# KiCad board temp sensor_panel.kicad_pcb (continued)
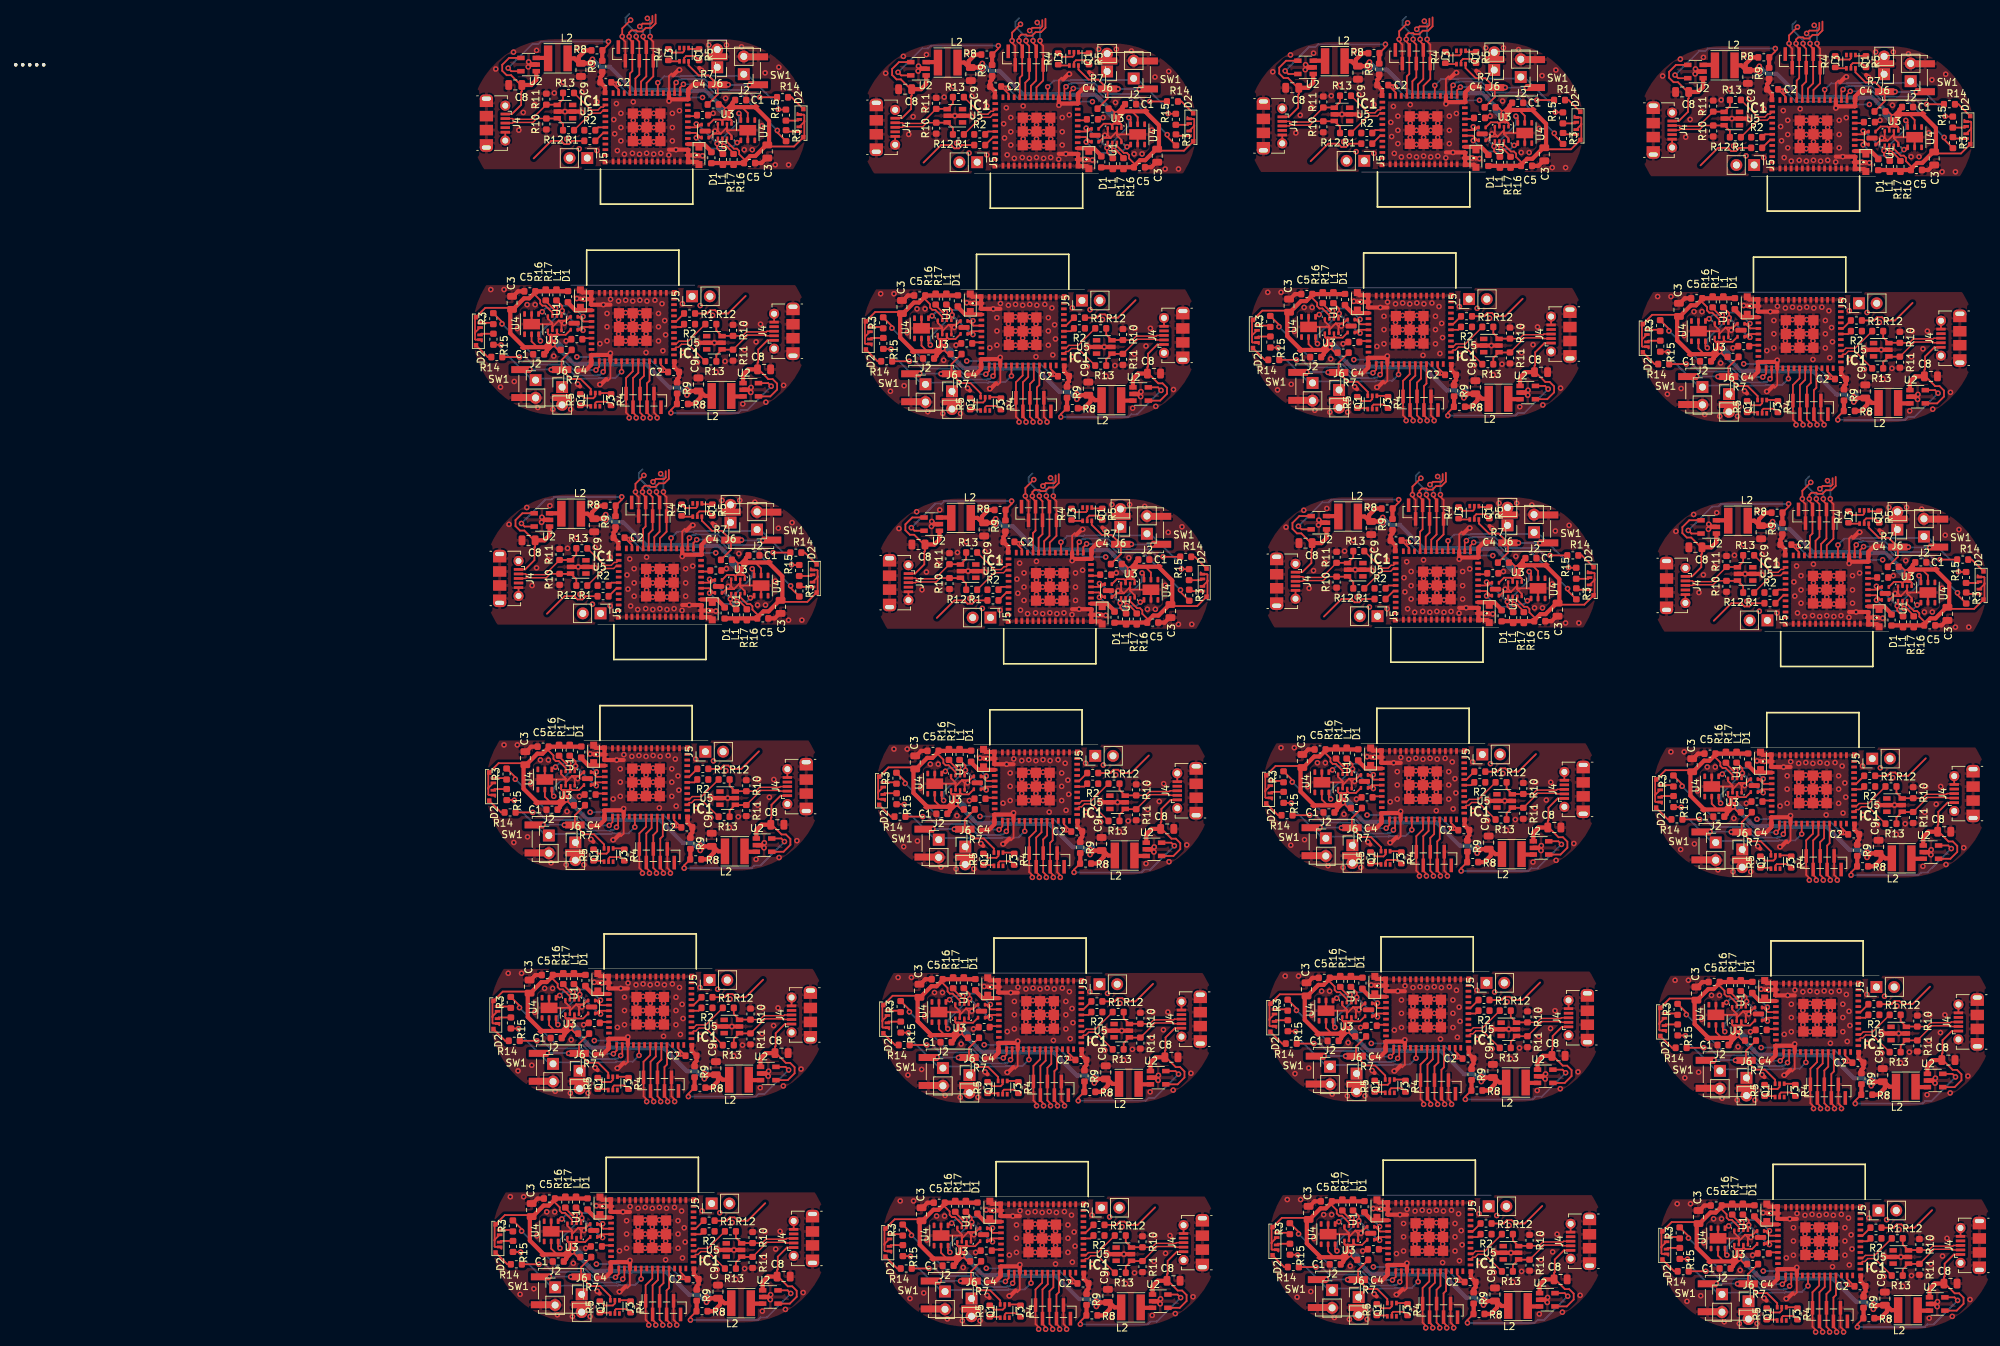
[diagram p0: board, top side]
## Routing (per net, layer and track width the routed paths; a pad name or vN(x,y) marks a point on that pad's centre or on a via; arc(x,y) is an arc through that point) (continued)
/Boot_Option: length 387.7
  Top w0.25: IC1.23 12.89,119.51 C2.1 13.21,118.45 v1(12.96,118.71) ; v1(0.89,120.62) 1.11,120.62 ; IC1#2.23 6.87,158.88 C2#2.1 6.55,159.94 v1(6.81,159.68) ; v1(18.88,157.77) 18.66,157.77 ; IC1#4.23 68.69,118.91 C2#4.1 69.01,117.85 v1(68.76,118.11) ; v1(56.69,120.02) 56.91,120.02 ; IC1#3.23 62.67,158.28 C2#3.1 62.35,159.34 v1(62.61,159.08) ; v1(74.67,157.17) 74.46,157.17 ; IC1#6.23 124.09,119.11 C2#6.1 124.41,118.05 v1(124.16,118.31) ; v1(112.09,120.22) 112.31,120.22 ; IC1#5.23 118.07,158.48 C2#5.1 117.75,159.54 v1(118.01,159.28) ; v1(130.07,157.37) 129.86,157.37 ; IC1#8.23 179.89,118.51 C2#8.1 180.21,117.45 v1(179.96,117.71) ; v1(167.89,119.62) 168.11,119.62 ; IC1#7.23 173.87,157.88 C2#7.1 173.55,158.94 v1(173.81,158.68) ; v1(185.88,156.77) 185.66,156.77 ; IC1#10.23 14.79,54.31 C2#10.1 15.11,53.25 v1(14.86,53.51) ; v1(2.79,55.42) 3.01,55.42 ; IC1#9.23 8.77,93.68 C2#9.1 8.45,94.74 v1(8.71,94.48) ; v1(20.77,92.57) 20.56,92.57 ; IC1#13.23 70.59,53.71 C2#13.1 70.91,52.65 v1(70.66,52.91) ; v1(58.59,54.82) 58.81,54.82 ; IC1#12.23 64.57,93.08 C2#12.1 64.25,94.14 v1(64.51,93.88) ; v1(76.58,91.97) 76.36,91.97 ; IC1#15.23 125.99,53.91 C2#15.1 126.31,52.85 v1(126.06,53.11) ; v1(113.99,55.02) 114.21,55.02 ; IC1#14.23 119.97,93.28 C2#14.1 119.65,94.34 v1(119.91,94.08) ; v1(131.98,92.17) 131.76,92.17 ; IC1#11.23 181.79,53.31 C2#11.1 182.11,52.25 v1(181.86,52.51) ; v1(169.79,54.42) 170.01,54.42 ; IC1#16.23 175.77,92.68 C2#16.1 175.45,93.74 v1(175.71,93.48) ; v1(187.77,91.57) 187.56,91.57 ; IC1#18.23 15.39,21.61 C2#19.1 15.71,20.55 v1(15.46,20.81) ; v1(3.39,22.72) 3.61,22.72 ; IC1#20.23 71.19,21.01 C2#20.1 71.51,19.95 v1(71.26,20.21) ; v1(59.19,22.12) 59.41,22.12 ; IC1#17.23 126.59,21.21 C2#17.1 126.91,20.15 v1(126.66,20.41) ; v1(114.59,22.32) 114.81,22.32 ; IC1#19.23 182.39,20.61 C2#18.1 182.71,19.55 v1(182.46,19.81) ; v1(170.39,21.72) 170.61,21.72 ; IC1#23.23 126.89,-10.79 C2#23.1 127.21,-11.85 v1(126.96,-11.59) ; IC1#21.23 15.69,-10.39 C2#22.1 16.01,-11.45 v1(15.76,-11.19) ; v1(3.69,-9.28) 3.91,-9.28 ; IC1#24.23 71.49,-10.99 C2#24.1 71.81,-12.05 v1(71.56,-11.79) ; v1(59.49,-9.88) 59.71,-9.88 ; IC1#22.23 182.69,-11.39 C2#21.1 183.01,-12.45 v1(182.76,-12.19) ; v1(170.69,-10.28) 170.91,-10.28 ; v1(114.89,-9.68) 115.11,-9.68
  Bottom w0.25: v1(0.89,120.62) 3.95,120.62 4.35,120.22 11.44,120.22 v1(12.96,118.71) ; v1(18.88,157.77) 15.81,157.77 15.41,158.17 8.32,158.17 v1(6.81,159.68) ; v1(56.69,120.02) 59.75,120.02 60.15,119.62 67.24,119.62 v1(68.76,118.11) ; v1(74.67,157.17) 71.61,157.17 71.21,157.57 64.12,157.57 v1(62.61,159.08) ; v1(112.09,120.22) 115.15,120.22 115.55,119.82 122.64,119.82 v1(124.16,118.31) ; v1(130.07,157.37) 127.01,157.37 126.61,157.77 119.52,157.77 v1(118.01,159.28) ; v1(167.89,119.62) 170.95,119.62 171.35,119.22 178.44,119.22 v1(179.96,117.71) ; v1(185.88,156.77) 182.81,156.77 182.41,157.17 175.32,157.17 v1(173.81,158.68) ; v1(2.79,55.42) 5.85,55.42 6.25,55.02 13.34,55.02 v1(14.86,53.51) ; v1(20.77,92.57) 17.71,92.57 17.31,92.97 10.22,92.97 v1(8.71,94.48) ; v1(58.59,54.82) 61.65,54.82 62.05,54.42 69.14,54.42 v1(70.66,52.91) ; v1(76.58,91.97) 73.51,91.97 73.11,92.37 66.02,92.37 v1(64.51,93.88) ; v1(113.99,55.02) 117.05,55.02 117.45,54.62 124.54,54.62 v1(126.06,53.11) ; v1(131.98,92.17) 128.91,92.17 128.51,92.57 121.42,92.57 v1(119.91,94.08) ; v1(169.79,54.42) 172.85,54.42 173.25,54.02 180.34,54.02 v1(181.86,52.51) ; v1(187.77,91.57) 184.71,91.57 184.31,91.97 177.22,91.97 v1(175.71,93.48) ; v1(3.39,22.72) 6.45,22.72 6.85,22.32 13.94,22.32 v1(15.46,20.81) ; v1(59.19,22.12) 62.25,22.12 62.65,21.72 69.74,21.72 v1(71.26,20.21) ; v1(126.66,20.41) 125.14,21.92 118.05,21.92 117.65,22.32 v1(114.59,22.32) ; v1(170.39,21.72) 173.45,21.72 173.85,21.32 180.94,21.32 v1(182.46,19.81) ; v1(71.56,-11.79) 70.04,-10.28 62.95,-10.28 62.55,-9.88 v1(59.49,-9.88) ; v1(3.69,-9.28) 6.75,-9.28 7.15,-9.68 14.24,-9.68 v1(15.76,-11.19) ; v1(182.76,-12.19) 181.24,-10.68 174.15,-10.68 173.75,-10.28 v1(170.69,-10.28) ; v1(114.89,-9.68) 117.95,-9.68 118.35,-10.08 125.44,-10.08 v1(126.96,-11.59)
/D+: length 235.4
  Top w0.2: R10.1 24.59,123.64 25.15,124.2 28.01,124.2 28.11,124.3 J4.3 29.11,124.3 ; -9.34,154.1 J4#2.3 -8.34,154.1 -8.24,154.2 -5.38,154.2 -4.82,154.76 R10#2.1 ; 84.91,123.7 J4#4.3 83.91,123.7 83.81,123.6 80.95,123.6 80.39,123.04 R10#4.1 ; R10#3.1 50.98,154.16 50.42,153.6 47.56,153.6 47.46,153.5 J4#3.3 46.46,153.5 ; 140.31,123.9 J4#6.3 139.31,123.9 139.21,123.8 136.35,123.8 135.79,123.24 R10#6.1 ; R10#5.1 106.38,154.36 105.82,153.8 102.96,153.8 102.86,153.7 J4#5.3 101.86,153.7 ; 196.11,123.3 J4#8.3 195.11,123.3 195.01,123.2 192.15,123.2 191.59,122.64 R10#8.1 ; R10#7.1 162.18,153.76 161.62,153.2 158.76,153.2 158.66,153.1 J4#7.3 157.66,153.1 ; 31.01,59.1 J4#10.3 30.01,59.1 29.91,59 27.05,59 26.49,58.44 R10#10.1 ; R10#9.1 -2.92,89.56 -3.48,89 -6.34,89 -6.44,88.9 J4#9.3 -7.44,88.9 ; 86.81,58.5 J4#12.3 85.81,58.5 85.71,58.4 82.85,58.4 82.29,57.84 R10#12.1 ; R10#11.1 52.88,88.96 52.32,88.4 49.46,88.4 49.36,88.3 J4#11.3 48.36,88.3 ; 142.21,58.7 J4#14.3 141.21,58.7 141.11,58.6 138.25,58.6 137.69,58.04 R10#13.1 ; R10#14.1 108.28,89.16 107.72,88.6 104.86,88.6 104.76,88.5 J4#13.3 103.76,88.5 ; 198.01,58.1 J4#16.3 197.01,58.1 196.91,58 194.05,58 193.49,57.44 R10#16.1 ; R10#15.1 164.08,88.56 163.52,88 160.66,88 160.56,87.9 J4#15.3 159.56,87.9 ; 31.61,26.4 J4#19.3 30.61,26.4 30.51,26.3 27.65,26.3 27.09,25.74 R10#19.1 ; 87.41,25.8 J4#20.3 86.41,25.8 86.31,25.7 83.45,25.7 82.89,25.14 R10#20.1 ; 142.81,26 J4#18.3 141.81,26 141.71,25.9 138.85,25.9 138.29,25.34 R10#18.1 ; R10#17.1 194.09,24.74 194.65,25.3 197.51,25.3 197.61,25.4 J4#17.3 198.61,25.4 ; 31.91,-5.6 J4#23.3 30.91,-5.6 30.81,-5.7 27.95,-5.7 27.39,-6.26 R10#23.1 ; R10#24.1 83.19,-6.86 83.75,-6.3 86.61,-6.3 86.71,-6.2 J4#24.3 87.71,-6.2 ; 198.91,-6.6 J4#21.3 197.91,-6.6 197.81,-6.7 194.95,-6.7 194.39,-7.26 R10#21.1 ; 143.11,-6 J4#22.3 142.11,-6 142.01,-6.1 139.15,-6.1 138.59,-6.66 R10#22.1
  Top w0.25: R12.1 20.85,124.42 U5.6 21.71,123.64 R10.1 ; R12#2.1 -1.09,153.98 U5#2.6 -1.95,154.76 R10#2.1 ; R12#4.1 76.65,123.82 U5#4.6 77.51,123.04 R10#4.1 ; R10#3.1 53.85,154.16 U5#3.6 54.71,153.38 R12#3.1 ; R12#6.1 132.05,124.02 U5#6.6 132.91,123.24 R10#6.1 ; R10#5.1 109.25,154.36 U5#5.6 110.11,153.58 R12#5.1 ; R12#8.1 187.85,123.42 U5#7.6 188.71,122.64 R10#8.1 ; R12#7.1 165.91,152.98 U5#8.6 165.05,153.76 R10#7.1 ; R12#10.1 22.75,59.22 U5#10.6 23.61,58.44 R10#10.1 ; R10#9.1 -0.05,89.56 U5#9.6 0.81,88.78 R12#9.1 ; R12#13.1 78.55,58.62 U5#13.6 79.41,57.84 R10#12.1 ; R12#12.1 56.61,88.18 U5#14.6 55.75,88.96 R10#11.1 ; R12#15.1 133.95,58.82 U5#16.6 134.81,58.04 R10#13.1 ; R10#14.1 111.15,89.16 U5#15.6 112.01,88.38 R12#14.1 ; R12#11.1 189.75,58.22 U5#11.6 190.61,57.44 R10#16.1 ; R12#16.1 167.81,87.78 U5#12.6 166.95,88.56 R10#15.1 ; R10#20.1 80.01,25.14 U5#20.6 79.15,25.92 R12#20.1 ; R12#17.1 134.55,26.12 U5#17.6 135.41,25.34 R10#18.1 ; R12#19.1 190.35,25.52 U5#19.6 191.21,24.74 R10#17.1 ; R12#18.1 23.35,26.52 U5#18.6 24.21,25.74 R10#19.1 ; R12#24.1 79.45,-6.08 U5#24.6 80.31,-6.86 R10#24.1 ; R10#21.1 191.51,-7.26 U5#22.6 190.65,-6.48 R12#21.1 ; R10#23.1 24.51,-6.26 U5#21.6 23.65,-5.48 R12#23.1 ; R12#22.1 134.85,-5.88 U5#23.6 135.71,-6.66 R10#22.1
/D-: length 250.2
  Top w0.2: R11.2 25.33,123.75 28.01,123.75 28.11,123.65 J4.2 ; R11#2.2 -5.57,154.65 -8.24,154.65 -8.34,154.75 J4#2.2 ; R11#4.2 81.13,123.15 83.81,123.15 83.91,123.05 J4#4.2 ; R11#3.2 50.23,154.05 47.56,154.05 47.46,154.15 J4#3.2 ; R11#6.2 136.53,123.35 139.21,123.35 139.31,123.25 J4#6.2 ; R11#5.2 105.63,154.25 102.96,154.25 102.86,154.35 J4#5.2 ; R11#8.2 192.33,122.75 195.01,122.75 195.11,122.65 J4#8.2 ; R11#7.2 161.43,153.65 158.76,153.65 158.66,153.75 J4#7.2 ; R11#10.2 27.23,58.55 29.91,58.55 30.01,58.45 J4#10.2 ; R11#9.2 -3.67,89.45 -6.34,89.45 -6.44,89.55 J4#9.2 ; R11#14.2 83.03,57.95 85.71,57.95 85.81,57.85 J4#12.2 ; R11#13.2 52.13,88.85 49.46,88.85 49.36,88.95 J4#11.2 ; R11#16.2 138.43,58.15 141.11,58.15 141.21,58.05 J4#14.2 ; R11#15.2 107.53,89.05 104.86,89.05 104.76,89.15 J4#13.2 ; R11#12.2 194.23,57.55 196.91,57.55 197.01,57.45 J4#16.2 ; R11#11.2 163.33,88.45 160.66,88.45 160.56,88.55 J4#15.2 ; R11#20.2 83.63,25.25 86.31,25.25 86.41,25.15 J4#20.2 ; J4#18.2 141.81,25.35 141.71,25.45 139.03,25.45 R11#17.2 ; R11#19.2 194.83,24.85 197.51,24.85 197.61,24.75 J4#17.2 ; R11#18.2 27.83,25.85 30.51,25.85 30.61,25.75 J4#19.2 ; J4#24.2 86.71,-6.85 86.61,-6.75 83.93,-6.75 R11#24.2 ; R11#23.2 195.13,-7.15 197.81,-7.15 197.91,-7.25 J4#21.2 ; R11#22.2 28.13,-6.15 30.81,-6.15 30.91,-6.25 J4#23.2 ; R11#21.2 139.33,-6.55 142.01,-6.55 142.11,-6.65 J4#22.2
  Top w0.25: R11.2 21.71,121.65 21.67,121.69 20.85,120.87 R13.1 ; R11#2.2 -1.95,156.74 U5#2.4 -1.09,157.52 R13#2.1 ; R11#4.2 77.51,121.05 77.47,121.09 76.65,120.27 R13#4.1 ; R13#3.1 54.71,156.92 U5#3.4 53.85,156.14 R11#3.2 ; R11#6.2 132.91,121.25 U5#6.4 132.05,120.47 R13#6.1 ; R13#5.1 110.11,157.12 U5#5.4 109.25,156.34 R11#5.2 ; R13#8.1 187.85,119.87 188.67,120.69 188.71,120.65 R11#8.2 ; R13#7.1 165.91,156.52 U5#8.4 165.05,155.74 R11#7.2 ; R11#10.2 23.61,56.45 23.57,56.5 22.75,55.67 R13#10.1 ; R13#9.1 0.81,92.32 U5#9.4 -0.05,91.54 R11#9.2 ; R13#12.1 78.55,55.07 U5#13.4 79.41,55.85 R11#14.2 ; R13#11.1 56.61,91.72 55.79,90.9 55.75,90.94 R11#13.2 ; R11#16.2 134.81,56.05 U5#16.4 133.95,55.27 R13#14.1 ; R13#13.1 112.01,91.92 U5#15.4 111.15,91.14 R11#15.2 ; R13#16.1 189.75,54.67 190.57,55.5 190.61,55.45 R11#12.2 ; R11#11.2 166.95,90.54 U5#12.4 167.81,91.32 R13#15.1 ; R13#20.1 79.15,22.37 U5#20.4 80.01,23.15 R11#20.2 ; R11#17.2 135.41,23.35 U5#17.4 134.55,22.57 R13#18.1 ; R13#17.1 190.35,21.97 U5#19.4 191.21,22.75 R11#19.2 ; R13#19.1 23.35,22.97 U5#18.4 24.21,23.75 R11#18.2 ; R11#24.2 80.31,-8.85 U5#24.4 79.45,-9.63 R13#24.1 ; R13#21.1 190.65,-10.03 U5#22.4 191.51,-9.25 R11#23.2 ; R13#23.1 23.65,-9.03 U5#21.4 24.51,-8.25 R11#22.2 ; R13#22.1 134.85,-9.43 U5#23.4 135.71,-8.65 R11#21.2
/DTR: length 39.6
  Top w0.25: R4.1 5.66,115.45 Q1.4 ; Q1#2.4 14.11,162.95 R4#2.1 ; Q1#4.4 61.46,114.85 R4#4.1 ; R4#3.1 69.91,162.35 Q1#3.4 ; Q1#6.4 116.86,115.05 116.98,114.92 ; R4#5.1 125.31,162.55 Q1#5.4 ; Q1#8.4 172.66,114.45 R4#8.1 ; R4#7.1 181.11,161.95 Q1#7.4 ; Q1#10.4 7.56,50.25 R4#10.1 ; R4#9.1 16.01,97.75 Q1#9.4 ; Q1#13.4 63.36,49.65 R4#13.1 ; R4#12.1 71.81,97.15 Q1#12.4 ; Q1#15.4 118.76,49.85 R4#15.1 ; 127.08,97.47 127.21,97.35 Q1#14.4 ; Q1#11.4 174.56,49.25 R4#11.1 ; R4#16.1 183.01,96.75 Q1#16.4 ; Q1#17.4 8.16,17.55 R4#18.1 ; Q1#19.4 63.96,16.95 R4#20.1 ; Q1#20.4 119.36,17.15 R4#17.1 ; Q1#18.4 175.16,16.55 R4#19.1 ; Q1#21.4 175.46,-15.45 R4#23.1 ; R4#21.1 119.66,-14.85 Q1#24.4 ; Q1#22.4 8.46,-14.45 R4#22.1 ; Q1#23.4 64.26,-15.05 R4#24.1
/EN: length 410
  Top w0.25: 0.18,121.65 R7.1 -1.29,120.19 SW1.2 ; Q1.6 2.88,116.02 1.44,117.47 0.04,117.47 SW1.2 ; 1.66,123.04 1.43,123.27 1.46,123.3 IC1.8 ; v1(-5.84,118.84) -5.87,118.8 SW1.2 ; v1(-2.79,118.8) -1.3,118.8 SW1.2 ; Q1#2.6 16.88,162.37 18.33,160.92 19.72,160.92 SW1#2.2 ; 18.1,155.35 18.33,155.12 18.31,155.09 IC1#2.8 ; 19.59,156.74 R7#2.1 21.05,158.21 SW1#2.2 ; v1(25.61,159.56) 25.64,159.59 SW1#2.2 ; SW1#2.2 21.06,159.59 v1(22.56,159.59) ; Q1#4.6 58.68,115.42 57.24,116.87 55.84,116.87 SW1#4.2 ; 57.46,122.44 57.23,122.67 57.26,122.7 IC1#4.8 ; 55.98,121.05 R7#4.1 54.51,119.59 SW1#4.2 ; v1(49.96,118.23) 49.93,118.2 48.71,118.2 ; SW1#4.2 54.5,118.2 v1(53.01,118.2) ; Q1#3.6 72.68,161.77 74.13,160.32 75.52,160.32 SW1#3.2 ; 73.9,154.75 74.13,154.52 74.11,154.49 IC1#3.8 ; SW1#3.2 76.86,158.99 v1(78.36,158.99) ; SW1#3.2 76.85,157.61 R7#3.1 75.39,156.14 ; v1(81.41,158.96) 81.44,158.99 SW1#3.2 ; Q1#6.6 114.08,115.62 112.64,117.07 111.24,117.07 109.91,118.4 ; 112.86,122.64 112.63,122.87 112.66,122.9 IC1#6.8 ; 111.38,121.25 R7#6.1 109.91,119.79 109.91,118.4 ; v1(105.36,118.44) 105.33,118.4 104.11,118.4 ; 109.91,118.4 109.9,118.4 v1(108.41,118.4) ; Q1#5.6 128.08,161.97 129.53,160.52 130.92,160.52 SW1#5.2 ; 129.3,154.95 129.53,154.72 129.51,154.69 IC1#5.8 ; SW1#5.2 132.26,159.19 v1(133.76,159.19) ; SW1#5.2 132.25,157.81 R7#5.1 130.79,156.34 ; v1(136.81,159.16) 136.84,159.19 SW1#5.2 ; Q1#8.6 169.88,115.02 168.44,116.47 167.04,116.47 SW1#8.2 ; 167.18,120.65 R7#8.1 165.71,119.19 SW1#8.2 ; 168.66,122.04 168.43,122.27 168.46,122.3 IC1#8.8 ; SW1#8.2 165.7,117.8 v1(164.21,117.8) ; v1(161.16,117.83) 161.13,117.8 159.91,117.8 ; 185.1,154.35 185.33,154.12 185.31,154.09 IC1#7.8 ; Q1#7.6 183.88,161.37 185.33,159.92 186.72,159.92 SW1#7.2 ; SW1#7.2 192.64,158.59 v1(192.61,158.56) ; 186.59,155.74 R7#7.1 188.06,157.21 SW1#7.2 ; SW1#7.2 188.06,158.59 v1(189.56,158.59) ; Q1#10.6 4.78,50.82 3.34,52.27 1.94,52.27 SW1#10.2 ; 3.56,57.84 3.33,58.07 3.36,58.1 IC1#10.8 ; 2.08,56.45 R7#10.1 0.61,54.99 SW1#10.2 ; v1(-3.94,53.63) -3.97,53.6 SW1#10.2 ; SW1#10.2 0.6,53.6 v1(-0.89,53.6) ; Q1#9.6 18.78,97.17 20.23,95.72 21.62,95.72 SW1#9.2 ; 20,90.15 20.23,89.92 20.21,89.89 IC1#9.8 ; SW1#9.2 22.96,94.39 v1(24.46,94.39) ; SW1#9.2 22.95,93.01 R7#9.1 21.49,91.54 ; v1(27.51,94.36) 27.54,94.39 SW1#9.2 ; Q1#13.6 60.58,50.22 59.14,51.67 57.74,51.67 SW1#13.2 ; 57.88,55.85 R7#13.1 56.41,54.39 SW1#13.2 ; 59.36,57.24 59.13,57.47 59.16,57.5 IC1#13.8 ; SW1#13.2 56.4,53 v1(54.91,53) ; v1(51.86,53.03) 51.83,53 SW1#13.2 ; 75.8,89.55 76.03,89.32 76.01,89.29 IC1#12.8 ; Q1#12.6 74.58,96.57 76.03,95.12 77.42,95.12 SW1#12.2 ; 84.55,93.79 83.34,93.79 v1(83.31,93.76) ; 77.29,90.94 R7#12.1 78.75,92.41 SW1#12.2 ; SW1#12.2 78.76,93.79 v1(80.26,93.79) ; Q1#15.6 115.98,50.42 114.54,51.87 113.14,51.87 SW1#15.2 ; v1(110.31,53.2) 111.8,53.2 SW1#15.2 ; 113.28,56.05 R7#15.1 111.81,54.59 SW1#15.2 ; v1(107.26,53.23) 107.23,53.2 SW1#15.2 ; 114.76,57.44 114.53,57.67 114.56,57.7 IC1#15.8 ; 131.2,89.75 131.43,89.52 131.41,89.49 IC1#14.8 ; Q1#14.6 129.98,96.77 131.43,95.32 132.82,95.32 SW1#14.2 ; SW1#14.2 134.16,93.99 v1(135.66,93.99) ; SW1#14.2 134.15,92.61 R7#14.1 132.69,91.14 ; v1(138.71,93.96) 138.74,93.99 SW1#14.2 ; Q1#11.6 171.78,49.82 170.34,51.27 168.94,51.27 SW1#11.2 ; 169.08,55.45 R7#11.1 167.61,53.99 SW1#11.2 ; 170.56,56.84 170.33,57.07 170.36,57.1 IC1#11.8 ; SW1#11.2 167.6,52.6 v1(166.11,52.6) ; SW1#11.2 163.03,52.6 v1(163.06,52.63) ; 187,89.15 187.23,88.92 187.21,88.89 IC1#16.8 ; Q1#16.6 185.78,96.17 187.23,94.72 188.62,94.72 SW1#16.2 ; 188.49,90.54 R7#16.1 189.95,92.01 SW1#16.2 ; SW1#16.2 189.96,93.39 v1(191.46,93.39) ; SW1#16.2 194.54,93.39 v1(194.51,93.36) ; Q1#17.6 5.38,18.12 3.94,19.57 2.54,19.57 SW1#18.2 ; 58.48,23.15 R7#20.1 57.01,21.69 SW1#20.2 ; 59.96,24.54 59.73,24.77 59.76,24.8 IC1#20.8 ; Q1#19.6 61.18,17.52 59.74,18.97 58.34,18.97 SW1#20.2 ; v1(52.46,20.34) 52.43,20.3 51.21,20.3 ; SW1#20.2 57,20.3 v1(55.51,20.3) ; Q1#20.6 116.58,17.72 115.14,19.17 113.74,19.17 SW1#17.2 ; v1(110.91,20.5) 112.4,20.5 SW1#17.2 ; v1(107.86,20.53) 107.83,20.5 SW1#17.2 ; 113.88,23.35 R7#17.1 112.41,21.89 SW1#17.2 ; 115.36,24.74 115.13,24.97 115.16,25 IC1#17.8 ; Q1#18.6 172.38,17.12 170.94,18.57 169.54,18.57 SW1#19.2 ; 162.41,19.9 163.63,19.9 v1(163.66,19.94) ; 171.16,24.14 170.93,24.37 170.96,24.4 IC1#19.8 ; SW1#19.2 168.2,19.9 v1(166.71,19.9) ; SW1#19.2 168.21,21.29 R7#19.1 169.68,22.75 ; 2.68,23.75 R7#18.1 1.21,22.29 SW1#18.2 ; 4.16,25.14 3.93,25.37 3.96,25.4 IC1#18.8 ; v1(-0.29,20.9) 1.2,20.9 SW1#18.2 ; SW1#18.2 -3.37,20.9 v1(-3.34,20.94) ; Q1#24.6 116.88,-14.28 115.44,-12.83 114.04,-12.83 SW1#22.2 ; IC1#24.8 60.06,-7.2 60.03,-7.23 60.26,-7.46 ; 51.51,-11.7 52.73,-11.7 v1(52.76,-11.66) ; SW1#24.2 58.64,-13.03 60.04,-13.03 61.48,-14.48 Q1#23.6 ; SW1#24.2 57.3,-11.7 v1(55.81,-11.7) ; SW1#24.2 57.31,-10.31 R7#24.1 58.78,-8.85 ; Q1#22.6 5.68,-13.88 4.24,-12.43 2.84,-12.43 SW1#21.2 ; Q1#21.6 172.68,-14.88 171.24,-13.43 169.84,-13.43 SW1#23.2 ; SW1#23.2 163.93,-12.1 v1(163.96,-12.06) ; SW1#23.2 168.51,-10.71 R7#21.1 169.98,-9.25 ; SW1#23.2 168.5,-12.1 v1(167.01,-12.1) ; 171.46,-7.86 171.23,-7.63 171.26,-7.6 IC1#22.8 ; 2.98,-8.25 R7#23.1 1.51,-9.71 SW1#21.2 ; 4.46,-6.86 4.23,-6.63 4.26,-6.6 IC1#21.8 ; v1(0.01,-11.1) 1.5,-11.1 SW1#21.2 ; v1(-3.04,-11.06) -3.07,-11.1 SW1#21.2 ; 114.18,-8.65 R7#22.1 112.71,-10.11 SW1#22.2 ; 115.66,-7.26 115.43,-7.03 115.46,-7 IC1#23.8 ; v1(111.21,-11.5) 112.7,-11.5 SW1#22.2 ; v1(108.16,-11.47) 108.13,-11.5 106.91,-11.5
  Bottom w0.25: v1(-5.84,118.84) -2.83,118.84 v1(-2.79,118.8) ; v1(25.61,159.56) 22.59,159.56 v1(22.56,159.59) ; v1(49.96,118.23) 52.97,118.23 v1(53.01,118.2) ; v1(81.41,158.96) 78.39,158.96 v1(78.36,158.99) ; v1(105.36,118.44) 108.37,118.44 v1(108.41,118.4) ; v1(136.81,159.16) 133.79,159.16 v1(133.76,159.19) ; v1(161.16,117.83) 164.17,117.83 v1(164.21,117.8) ; v1(192.61,158.56) 189.59,158.56 v1(189.56,158.59) ; v1(-3.94,53.63) -0.93,53.63 v1(-0.89,53.6) ; v1(27.51,94.36) 24.49,94.36 v1(24.46,94.39) ; v1(51.86,53.03) 54.87,53.03 v1(54.91,53) ; v1(83.31,93.76) 80.29,93.76 v1(80.26,93.79) ; v1(107.26,53.23) 110.27,53.23 v1(110.31,53.2) ; v1(138.71,93.96) 135.69,93.96 v1(135.66,93.99) ; v1(163.06,52.63) 166.07,52.63 v1(166.11,52.6) ; v1(194.51,93.36) 191.49,93.36 v1(191.46,93.39) ; v1(-3.34,20.94) -0.33,20.94 v1(-0.29,20.9) ; v1(55.51,20.3) 55.47,20.34 v1(52.46,20.34) ; v1(107.86,20.53) 110.87,20.53 v1(110.91,20.5) ; v1(166.71,19.9) 166.67,19.94 v1(163.66,19.94) ; v1(52.76,-11.66) 55.77,-11.66 v1(55.81,-11.7) ; v1(-3.04,-11.06) -0.03,-11.06 v1(0.01,-11.1) ; v1(167.01,-12.1) 166.97,-12.06 v1(163.96,-12.06) ; v1(108.16,-11.47) 111.17,-11.47 v1(111.21,-11.5)
/I37_pico: length 328.4
  Top w0.25: IC1.5 1.85,125.7 1.18,126.36 U1.3 1.74,126.36 v1(1.78,126.4) ; R16.1 -3.56,128.61 -2.54,127.6 v1(-2.16,127.6) -1.96,127.4 -1.96,126.46 ; U4.1 -4.26,127.09 v1(-4.07,127.09) ; v1(17.99,151.99) 18.02,152.03 U1#2.3 18.58,152.03 17.91,152.69 IC1#2.5 ; R16#2.1 23.32,149.78 22.3,150.79 v1(21.92,150.79) 21.72,150.99 U3#2.3 ; v1(23.83,151.31) 24.03,151.31 U4#2.1 ; v1(57.58,125.8) 57.54,125.76 U1#4.3 56.98,125.76 57.65,125.1 IC1#4.5 ; R16#4.1 52.24,128.01 53.26,127 v1(53.64,127) 53.84,126.8 U3#4.3 ; v1(51.73,126.49) 51.54,126.49 U4#4.1 ; U3#3.3 77.52,150.39 v1(77.72,150.19) 78.1,150.19 79.12,149.18 R16#3.1 ; IC1#3.5 73.72,152.09 74.38,151.43 U1#3.3 73.82,151.43 v1(73.79,151.39) ; v1(79.63,150.71) 79.83,150.71 U4#3.1 ; v1(112.98,126) 112.94,125.96 U1#6.3 112.38,125.96 113.05,125.3 IC1#6.5 ; R16#6.1 107.64,128.21 108.66,127.2 v1(109.04,127.2) 109.24,127 U3#6.3 ; v1(107.13,126.69) 106.94,126.69 U4#6.1 ; U3#5.3 132.93,150.59 v1(133.12,150.39) 133.5,150.39 134.52,149.38 R16#5.1 ; IC1#5.5 129.12,152.29 129.78,151.63 U1#5.3 129.22,151.63 v1(129.19,151.59) ; v1(135.03,150.91) 135.23,150.91 U4#5.1 ; U4#8.1 162.74,126.09 v1(162.93,126.09) ; IC1#8.5 168.85,124.7 168.18,125.36 U1#8.3 168.74,125.36 v1(168.78,125.4) ; R16#8.1 163.44,127.61 164.46,126.6 v1(164.84,126.6) 165.04,126.4 U3#8.3 ; U3#7.3 188.73,149.99 v1(188.92,149.79) 189.3,149.79 190.32,148.78 R16#7.1 ; IC1#7.5 184.92,151.69 185.58,151.03 U1#7.3 185.02,151.03 v1(184.99,150.99) ; U4#7.1 191.03,150.31 v1(190.83,150.31) ; v1(3.68,61.2) 3.64,61.16 U1#10.3 3.08,61.16 3.75,60.5 IC1#10.5 ; R16#10.1 -1.66,63.41 -0.64,62.4 v1(-0.26,62.4) -0.06,62.2 U3#10.3 ; v1(-2.17,61.89) -2.36,61.89 U4#10.1 ; U3#9.3 23.62,85.79 v1(23.82,85.59) 24.2,85.59 25.22,84.58 R16#9.1 ; IC1#9.5 19.81,87.49 20.48,86.83 U1#9.3 19.92,86.83 v1(19.89,86.79) ; v1(25.73,86.11) 25.93,86.11 U4#9.1 ; U4#13.1 53.44,61.29 v1(53.63,61.29) ; IC1#13.5 59.55,59.9 58.88,60.56 U1#14.3 59.44,60.56 v1(59.48,60.6) ; R16#12.1 54.14,62.81 55.16,61.8 v1(55.54,61.8) 55.74,61.6 55.74,60.66 ; U3#13.3 79.42,85.19 v1(79.62,84.99) 80,84.99 81.02,83.98 R16#11.1 ; IC1#12.5 75.61,86.89 76.28,86.23 U1#13.3 75.72,86.23 v1(75.69,86.19) ; U4#12.1 81.73,85.51 v1(81.53,85.51) ; v1(114.88,60.8) 114.84,60.76 U1#16.3 114.28,60.76 114.95,60.1 IC1#15.5 ; U4#15.1 108.84,61.49 v1(109.03,61.49) ; R16#14.1 109.54,63.01 110.56,62 v1(110.94,62) 111.14,61.8 U3#16.3 ; U3#15.3 134.82,85.39 v1(135.02,85.19) 135.4,85.19 136.42,84.18 R16#13.1 ; v1(136.93,85.71) 137.13,85.71 U4#14.1 ; v1(131.09,86.39) 131.12,86.43 U1#15.3 131.68,86.43 131.01,87.09 IC1#14.5 ; R16#16.1 165.34,62.41 166.36,61.4 v1(166.74,61.4) 166.94,61.2 U3#12.3 ; U4#11.1 164.64,60.89 v1(164.83,60.89) ; IC1#11.5 170.75,59.5 170.08,60.16 U1#12.3 170.64,60.16 v1(170.68,60.2) ; U3#11.3 190.62,84.79 v1(190.82,84.59) 191.2,84.59 192.22,83.58 R16#15.1 ; v1(192.73,85.11) 192.93,85.11 U4#16.1 ; v1(186.89,85.79) 186.92,85.83 U1#11.3 187.48,85.83 186.81,86.49 IC1#16.5 ; v1(-1.57,29.19) -1.76,29.19 U4#18.1 ; IC1#18.5 4.35,27.8 3.68,28.46 U1#18.3 4.24,28.46 v1(4.28,28.5) ; R16#19.1 -1.06,30.71 -0.04,29.7 v1(0.34,29.7) 0.54,29.5 0.54,28.56 ; R16#20.1 54.74,30.11 55.76,29.1 v1(56.14,29.1) 56.34,28.9 U3#20.3 ; v1(54.23,28.59) 54.04,28.59 U4#20.1 ; v1(60.08,27.9) 60.04,27.86 U1#20.3 59.48,27.86 60.15,27.2 IC1#20.5 ; U4#17.1 109.44,28.79 v1(109.63,28.79) ; v1(115.48,28.1) 115.44,28.06 U1#17.3 114.88,28.06 115.55,27.4 IC1#17.5 ; R16#18.1 110.14,30.31 111.16,29.3 v1(111.54,29.3) 111.74,29.1 U3#17.3 ; R16#17.1 165.94,29.71 166.96,28.7 v1(167.34,28.7) 167.54,28.5 U3#19.3 ; v1(165.43,28.19) 165.24,28.19 U4#19.1 ; IC1#19.5 171.35,26.8 170.68,27.46 U1#19.3 171.24,27.46 v1(171.28,27.5) ; v1(165.73,-3.81) 165.54,-3.81 U4#21.1 ; IC1#22.5 171.65,-5.2 170.98,-4.54 U1#23.3 171.54,-4.54 v1(171.58,-4.5) ; IC1#23.5 115.85,-4.6 115.18,-3.94 U1#22.3 115.74,-3.94 v1(115.78,-3.9) ; v1(109.93,-3.21) 109.74,-3.21 U4#22.1 ; U3#22.3 112.04,-2.9 v1(111.84,-2.7) 111.46,-2.7 110.44,-1.69 R16#22.1 ; v1(-1.27,-2.81) -1.46,-2.81 U4#23.1 ; IC1#21.5 4.65,-4.2 3.98,-3.54 U1#21.3 4.54,-3.54 v1(4.58,-3.5) ; R16#23.1 -0.76,-1.29 0.26,-2.3 v1(0.64,-2.3) 0.84,-2.5 U3#21.3 ; R16#24.1 55.04,-1.89 56.06,-2.9 v1(56.44,-2.9) 56.64,-3.1 U3#24.3 ; v1(60.38,-4.1) 60.34,-4.14 U1#24.3 59.78,-4.14 60.45,-4.8 IC1#24.5 ; v1(54.53,-3.41) 54.34,-3.41 U4#24.1 ; U3#23.3 167.84,-3.5 v1(167.64,-3.3) 167.26,-3.3 166.24,-2.29 R16#21.1
  Bottom w0.25: v1(-4.07,127.09) -3.56,127.6 v1(-2.16,127.6) -1.8,127.96 0.22,127.96 v1(1.78,126.4) ; v1(23.83,151.31) 23.32,150.79 v1(21.92,150.79) 21.56,150.43 19.55,150.43 v1(17.99,151.99) ; v1(51.73,126.49) 52.24,127 v1(53.64,127) 54,127.36 56.02,127.36 v1(57.58,125.8) ; v1(73.79,151.39) 75.35,149.83 77.36,149.83 v1(77.72,150.19) 79.12,150.19 v1(79.63,150.71) ; v1(107.13,126.69) 107.64,127.2 v1(109.04,127.2) 109.4,127.56 111.42,127.56 v1(112.98,126) ; v1(129.19,151.59) 130.75,150.03 132.76,150.03 v1(133.12,150.39) 134.52,150.39 v1(135.03,150.91) ; v1(162.93,126.09) 163.44,126.6 v1(164.84,126.6) 165.2,126.96 167.22,126.96 v1(168.78,125.4) ; v1(184.99,150.99) 186.55,149.43 188.56,149.43 v1(188.92,149.79) 190.32,149.79 v1(190.83,150.31) ; v1(-2.17,61.89) -1.66,62.4 v1(-0.26,62.4) 0.1,62.76 2.12,62.76 v1(3.68,61.2) ; v1(19.89,86.79) 21.45,85.23 23.46,85.23 v1(23.82,85.59) 25.22,85.59 v1(25.73,86.11) ; v1(53.63,61.29) 54.14,61.8 v1(55.54,61.8) 55.9,62.16 57.92,62.16 v1(59.48,60.6) ; v1(75.69,86.19) 77.25,84.63 79.26,84.63 v1(79.62,84.99) 81.02,84.99 v1(81.53,85.51) ; v1(109.03,61.49) 109.54,62 v1(110.94,62) 111.3,62.36 113.32,62.36 v1(114.88,60.8) ; v1(131.09,86.39) 132.65,84.83 134.66,84.83 v1(135.02,85.19) 136.42,85.19 v1(136.93,85.71) ; v1(164.83,60.89) 165.34,61.4 v1(166.74,61.4) 167.1,61.76 169.12,61.76 v1(170.68,60.2) ; v1(186.89,85.79) 188.45,84.23 190.46,84.23 v1(190.82,84.59) 192.22,84.59 v1(192.73,85.11) ; v1(-1.57,29.19) -1.06,29.7 v1(0.34,29.7) 0.7,30.06 2.72,30.06 v1(4.28,28.5) ; v1(60.08,27.9) 58.52,29.46 56.5,29.46 v1(56.14,29.1) 54.74,29.1 v1(54.23,28.59) ; v1(109.63,28.79) 110.14,29.3 v1(111.54,29.3) 111.9,29.66 113.92,29.66 v1(115.48,28.1) ; v1(165.43,28.19) 165.94,28.7 v1(167.34,28.7) 167.7,29.06 169.72,29.06 v1(171.28,27.5) ; v1(171.58,-4.5) 170.02,-2.94 168,-2.94 v1(167.64,-3.3) 166.24,-3.3 v1(165.73,-3.81) ; v1(115.78,-3.9) 114.22,-2.34 112.2,-2.34 v1(111.84,-2.7) 110.44,-2.7 v1(109.93,-3.21) ; v1(-1.27,-2.81) -0.76,-2.3 v1(0.64,-2.3) 1,-1.94 3.02,-1.94 v1(4.58,-3.5) ; v1(60.38,-4.1) 58.82,-2.54 56.8,-2.54 v1(56.44,-2.9) 55.04,-2.9 v1(54.53,-3.41)
/I38_pico: length 394.5
  Top w0.25: IC1.6 1.57,124.9 1.18,124.51 U1.2 ; R17.1 -2.01,128.72 -1.2,127.91 v1(-1.2,127.23) -1.31,127.12 U3.4 ; v1(-4.32,122.91) -4.59,123.18 U4.6 ; v1(1.78,124.42) 1.69,124.51 U1.2 ; 1.02,124.51 U1.2 ; 18.75,153.89 U1#2.2 ; U1#2.2 18.58,153.88 18.2,153.49 IC1#2.6 ; U1#2.2 18.08,153.88 v1(17.99,153.97) ; U4#2.6 24.35,155.21 v1(24.08,155.48) ; R17#2.1 21.77,149.68 20.96,150.49 v1(20.96,151.16) 21.07,151.27 U3#2.4 ; 56.82,123.91 U1#4.2 ; U1#4.2 56.98,123.91 57.37,124.3 IC1#4.6 ; U1#4.2 57.49,123.91 v1(57.58,123.82) ; U4#4.6 51.21,122.58 v1(51.48,122.31) ; R17#4.1 53.79,128.12 54.6,127.31 v1(54.6,126.63) 54.49,126.52 U3#4.4 ; U1#3.2 73.88,153.28 v1(73.79,153.37) ; U1#3.2 74.55,153.29 ; U1#3.2 74.38,153.28 74,152.89 IC1#3.6 ; U4#3.6 80.15,154.61 v1(79.88,154.88) ; R17#3.1 77.57,149.08 76.76,149.89 v1(76.76,150.56) 76.88,150.67 U3#3.4 ; 112.22,124.11 U1#6.2 ; U1#6.2 112.38,124.11 112.77,124.5 IC1#6.6 ; U1#6.2 112.89,124.11 v1(112.98,124.02) ; U4#6.6 106.61,122.78 v1(106.88,122.51) ; R17#6.1 109.19,128.32 110,127.51 v1(110,126.83) 109.89,126.72 U3#6.4 ; U1#5.2 129.28,153.48 v1(129.19,153.57) ; U1#5.2 129.95,153.49 ; U1#5.2 129.78,153.48 129.4,153.09 IC1#5.6 ; U4#5.6 135.55,154.81 v1(135.28,155.08) ; R17#5.1 132.97,149.28 132.16,150.09 v1(132.16,150.76) 132.27,150.87 U3#5.4 ; 168.02,123.51 U1#8.2 ; U1#8.2 168.18,123.51 168.57,123.9 IC1#8.6 ; U1#8.2 168.69,123.51 v1(168.78,123.42) ; U4#8.6 162.41,122.18 v1(162.68,121.91) ; 165.69,125.46 165.69,126.12 v1(165.8,126.23) 165.8,126.91 164.99,127.72 R17#7.1 ; U1#7.2 185.08,152.88 v1(184.99,152.97) ; U1#7.2 185.75,152.89 ; U1#7.2 185.58,152.88 185.2,152.49 IC1#7.6 ; v1(191.08,154.48) 191.35,154.21 U4#7.6 ; R17#8.1 188.77,148.68 187.96,149.49 v1(187.96,150.16) 188.07,150.27 U3#7.4 ; 2.92,59.31 U1#10.2 ; U1#10.2 3.08,59.31 3.47,59.7 IC1#10.6 ; U1#10.2 3.59,59.31 v1(3.68,59.22) ; U4#10.6 -2.69,57.98 v1(-2.42,57.71) ; R17#10.1 -0.11,63.52 0.7,62.71 v1(0.7,62.03) 0.59,61.92 U3#10.4 ; U1#9.2 19.98,88.68 v1(19.89,88.77) ; U1#9.2 20.65,88.69 ; U1#9.2 20.48,88.68 20.1,88.29 IC1#9.6 ; U4#9.6 26.25,90.01 v1(25.98,90.28) ; R17#9.1 23.67,84.48 22.86,85.29 v1(22.86,85.96) 22.97,86.07 U3#9.4 ; 58.72,58.71 U1#14.2 ; U1#14.2 58.88,58.71 59.27,59.1 IC1#13.6 ; U1#14.2 59.39,58.71 v1(59.48,58.62) ; U4#13.6 53.11,57.38 v1(53.38,57.11) ; U3#14.4 56.39,61.32 v1(56.5,61.43) 56.5,62.11 55.69,62.92 R17#13.1 ; U1#13.2 75.78,88.08 v1(75.69,88.17) ; U1#13.2 76.45,88.09 ; U1#13.2 76.28,88.08 75.9,87.69 IC1#12.6 ; v1(81.78,89.68) 82.05,89.41 U4#12.6 ; R17#14.1 79.47,83.88 78.66,84.69 v1(78.66,85.36) 78.77,85.47 78.77,86.13 ; 114.12,58.91 U1#16.2 ; U1#16.2 114.28,58.91 114.67,59.3 IC1#15.6 ; U1#16.2 114.79,58.91 v1(114.88,58.82) ; U4#15.6 108.51,57.58 v1(108.78,57.31) ; R17#16.1 111.09,63.12 111.9,62.31 v1(111.9,61.63) 111.79,61.52 U3#16.4 ; U1#15.2 131.18,88.28 v1(131.09,88.37) ; U1#15.2 131.68,88.28 131.3,87.89 IC1#14.6 ; U1#15.2 131.85,88.29 ; v1(137.18,89.88) 137.45,89.61 U4#14.6 ; R17#15.1 134.87,84.08 134.06,84.89 v1(134.06,85.56) 134.18,85.67 U3#15.4 ; 169.92,58.31 U1#12.2 ; U1#12.2 170.08,58.31 170.47,58.7 IC1#11.6 ; U1#12.2 170.59,58.31 v1(170.68,58.22) ; U4#11.6 164.31,56.98 v1(164.58,56.71) ; U3#12.4 167.59,60.92 v1(167.7,61.03) 167.7,61.71 166.89,62.52 R17#11.1 ; U1#11.2 186.98,87.68 v1(186.89,87.77) ; U1#11.2 187.65,87.69 ; U1#11.2 187.48,87.68 187.1,87.29 IC1#16.6 ; v1(192.98,89.28) 193.25,89.01 U4#16.6 ; R17#12.1 190.67,83.48 189.86,84.29 v1(189.86,84.96) 189.98,85.07 U3#11.4 ; 3.52,26.61 U1#18.2 ; U1#18.2 3.68,26.61 4.07,27 IC1#18.6 ; U1#18.2 4.19,26.61 v1(4.28,26.52) ; U4#18.6 -2.09,25.28 v1(-1.82,25.01) ; U3#18.4 1.19,29.22 v1(1.3,29.33) 1.3,30.01 0.49,30.82 R17#18.1 ; v1(60.08,25.92) 59.99,26.01 U1#20.2 ; v1(53.98,24.41) 53.71,24.68 U4#20.6 ; IC1#20.6 59.87,26.4 59.48,26.01 U1#20.2 ; U1#20.2 59.32,26.01 ; R17#20.1 56.29,30.22 57.1,29.41 v1(57.1,28.73) 56.99,28.62 U3#20.4 ; 114.72,26.21 U1#17.2 ; U1#17.2 114.88,26.21 115.27,26.6 IC1#17.6 ; U1#17.2 115.39,26.21 v1(115.48,26.12) ; R17#17.1 111.69,30.42 112.5,29.61 v1(112.5,28.93) 112.39,28.82 U3#17.4 ; U4#17.6 109.11,24.88 v1(109.38,24.61) ; 170.52,25.61 U1#19.2 ; U1#19.2 170.68,25.61 171.07,26 IC1#19.6 ; U1#19.2 171.19,25.61 v1(171.28,25.52) ; 168.19,27.56 168.19,28.22 v1(168.3,28.33) 168.3,29.01 167.49,29.82 R17#19.1 ; U4#19.6 164.91,24.28 v1(165.18,24.01) ; U3#23.4 168.49,-3.78 v1(168.6,-3.67) 168.6,-2.99 167.79,-2.18 R17#22.1 ; U1#23.2 170.98,-6.39 171.37,-6 IC1#22.6 ; U1#23.2 171.49,-6.39 v1(171.58,-6.48) ; U1#23.2 170.82,-6.39 ; U4#21.6 165.21,-7.72 v1(165.48,-7.99) ; U1#22.2 115.69,-5.79 v1(115.78,-5.88) ; U1#22.2 115.18,-5.79 115.57,-5.4 IC1#23.6 ; U1#22.2 115.02,-5.79 ; v1(109.68,-7.39) 109.41,-7.12 U4#22.6 ; 112.69,-3.84 112.69,-3.18 v1(112.8,-3.07) 112.8,-2.39 111.99,-1.58 R17#23.1 ; IC1#21.6 4.37,-5 3.98,-5.39 U1#21.2 ; U3#21.4 1.49,-2.78 v1(1.6,-2.67) 1.6,-1.99 0.79,-1.18 R17#21.1 ; v1(4.58,-5.48) 4.49,-5.39 U1#21.2 ; 3.82,-5.39 U1#21.2 ; U4#23.6 -1.79,-6.72 v1(-1.52,-6.99) ; v1(54.28,-7.59) 54.01,-7.32 U4#24.6 ; R17#24.1 56.59,-1.78 57.4,-2.59 v1(57.4,-3.27) 57.29,-3.38 57.29,-4.04 ; IC1#24.6 60.17,-5.6 59.78,-5.99 U1#24.2 ; U1#24.2 60.29,-5.99 v1(60.38,-6.08) ; U1#24.2 59.62,-5.99